# KiCad board DFTBoard.kicad_pcb (continued)
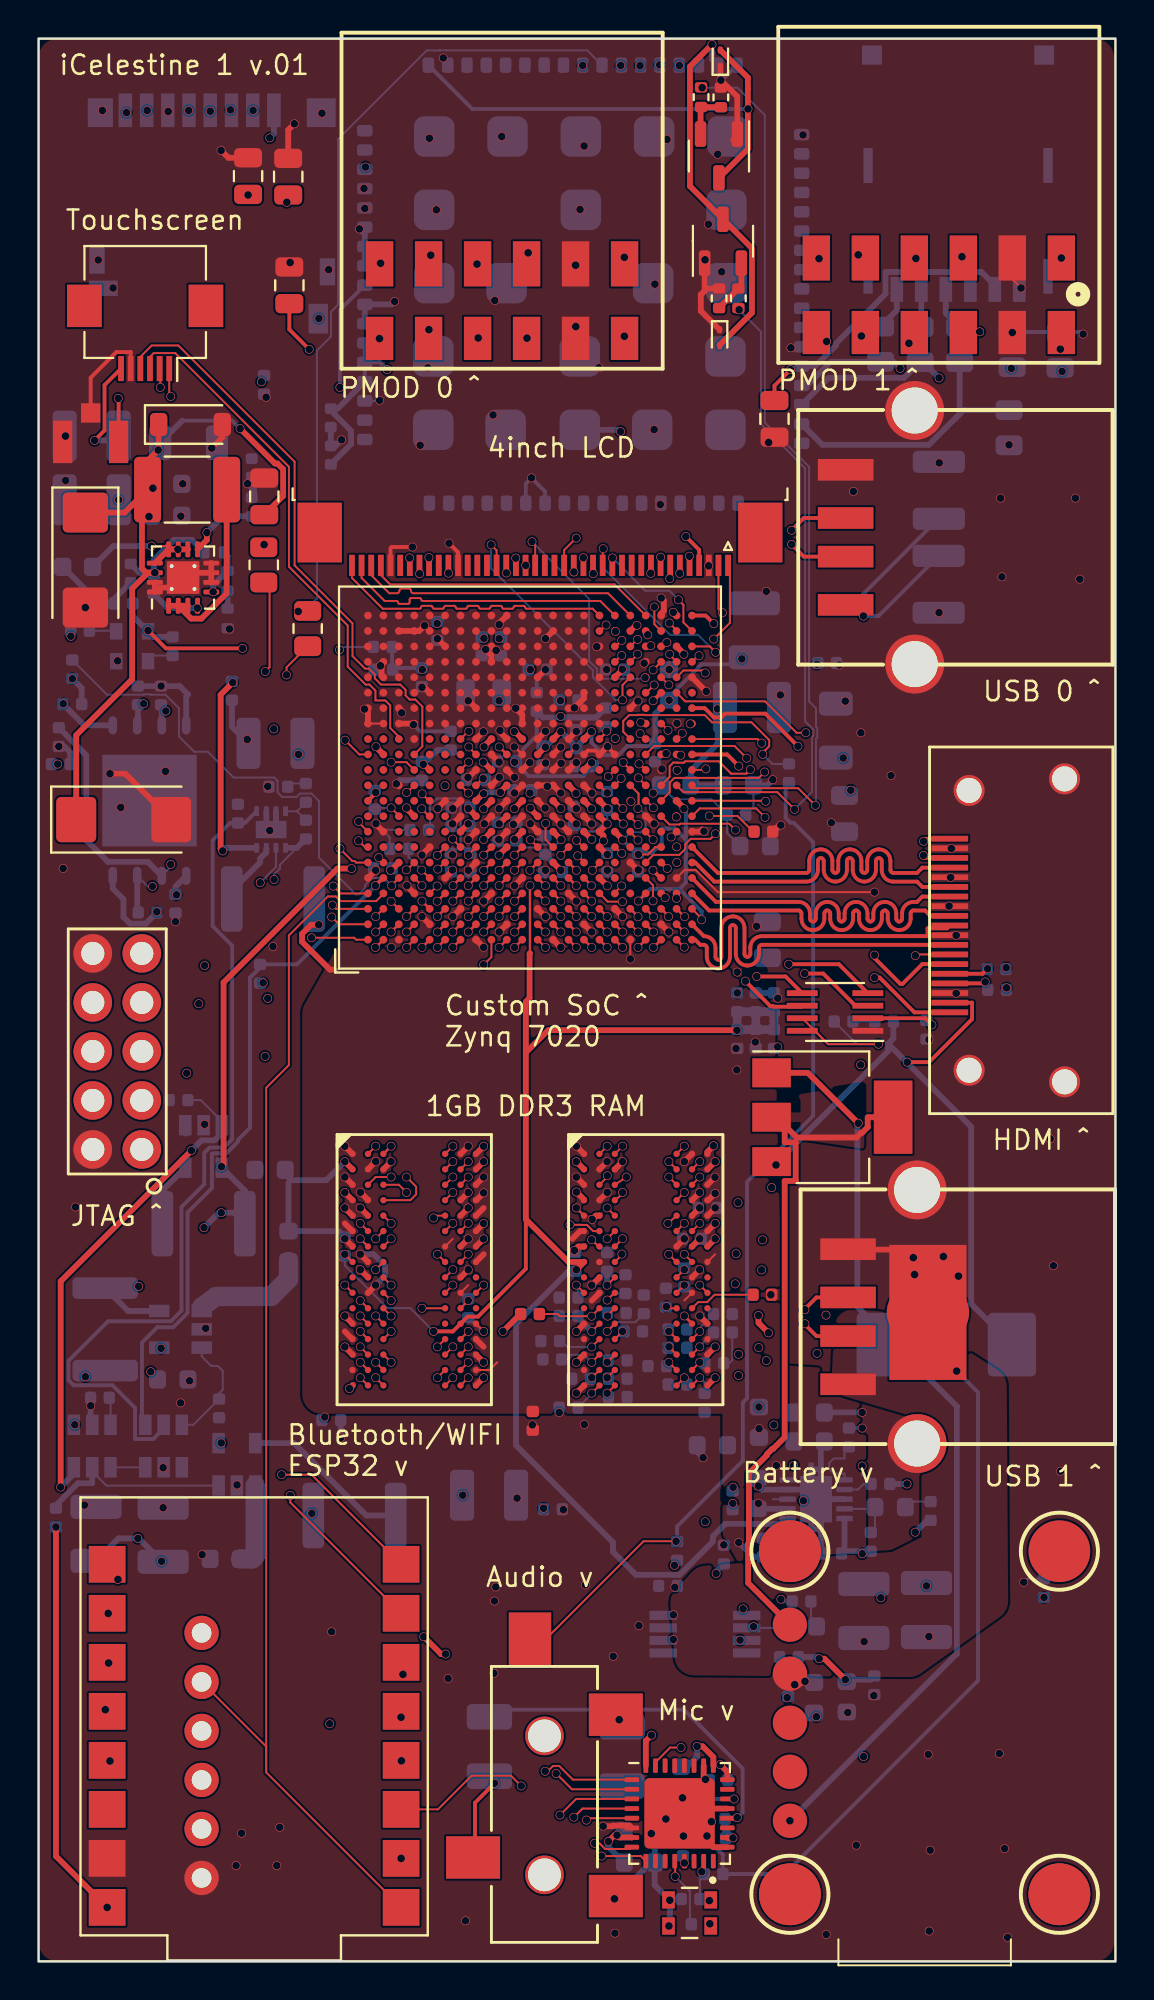
[diagram p0: board, top side]
## Routing (per net, layer and track width the routed paths; a pad name or vN(x,y) marks a point on that pad's centre or on a via; arc(x,y) is an arc through that point) (continued)
  BOTTOM w0.102: v1(29.47,34.28) 29.81,34.62 R70.1
DDR3_CK_N: length 48.3
  TOP_GND w0.102: 33.08,34.65 v1(33.47,35.05) ; U16.K7 v1(21.48,35.05)
  TOP_GND w0.13: U20.N5 v1(27.08,55.75)
  SIGNAL1 w0.102: v1(27.08,55.75) 27.08,55.61 26.68,55.21 26.68,51.64 26.67,51.63 26.67,50.55 26.08,49.96 26.08,44.95 26.07,44.94 26.07,44.92 26.06,44.91 26.05,44.9 26.03,44.89 26.02,44.88 26,44.88 25.88,44.88 25.83,44.87 25.77,44.86 25.72,44.82 25.68,44.78 25.65,44.73 25.63,44.68 25.62,44.62 25.62,44.34 25.63,44.28 25.65,44.22 25.68,44.18 25.72,44.13 25.77,44.1 25.83,44.08 25.88,44.08 26.53,44.08 26.56,44.07 26.59,44.06 26.62,44.04 26.64,44.02 26.66,43.99 26.67,43.96 26.68,43.93 26.68,43.83 26.67,43.8 26.66,43.76 26.64,43.74 26.62,43.71 26.59,43.7 26.56,43.68 26.53,43.68 25.8,43.68 25.73,43.67 25.66,43.65 25.6,43.61 25.55,43.56 25.51,43.49 25.48,43.42 25.47,43.35 25.47,43.21 25.48,43.13 25.51,43.06 25.55,43 25.6,42.95 25.66,42.91 25.73,42.89 25.8,42.88 26.53,42.88 26.56,42.87 26.59,42.86 26.62,42.84 26.64,42.82 26.66,42.79 26.67,42.76 26.68,42.73 26.68,42.63 26.67,42.6 26.66,42.56 26.64,42.54 26.62,42.51 26.59,42.5 26.56,42.48 26.53,42.48 25.8,42.48 25.73,42.47 25.66,42.45 25.6,42.41 25.55,42.36 25.51,42.29 25.48,42.22 25.47,42.15 25.47,42.01 25.48,41.93 25.51,41.86 25.55,41.8 25.6,41.75 25.66,41.71 25.73,41.69 25.8,41.68 26.53,41.68 26.56,41.67 26.59,41.66 26.62,41.64 26.64,41.62 26.66,41.59 26.67,41.56 26.68,41.53 26.68,41.43 26.67,41.4 26.66,41.36 26.64,41.34 26.62,41.31 26.59,41.3 26.56,41.28 26.53,41.28 25.8,41.28 25.73,41.27 25.66,41.25 25.6,41.21 25.55,41.16 25.51,41.09 25.48,41.02 25.47,40.95 25.47,40.81 25.48,40.73 25.51,40.66 25.55,40.6 25.6,40.55 25.66,40.51 25.73,40.49 25.8,40.48 26.53,40.48 26.56,40.47 26.59,40.46 26.62,40.44 26.64,40.42 26.66,40.39 26.67,40.36 26.68,40.33 26.68,40.23 26.67,40.2 26.66,40.16 26.64,40.14 26.62,40.11 26.59,40.1 26.56,40.08 26.53,40.08 26.41,40.08 26.33,40.07 26.26,40.05 26.2,40.01 26.15,39.96 26.11,39.89 26.08,39.82 26.08,39.75 26.08,38 25.93,37.85 21.28,37.85 21.08,37.65 21.08,35.45 v1(21.48,35.05) 21.88,35.45 22.48,35.45 23.05,36.03 23.35,36.03 23.56,36.24 28.87,36.24 29.36,35.75 32.44,35.75 33.14,35.05 v1(33.47,35.05)
DDR3_CK_P: length 46.8
  TOP_GND w0.102: 33.08,35.45 v1(33.47,35.85) ; U16.J7 v1(21.48,35.85)
  TOP_GND w0.13: U20.N4 v1(27.08,54.95)
  SIGNAL1 w0.102: v1(33.47,35.85) 32.68,35.85 32.22,36.3 31.33,36.3 30.98,35.95 29.44,35.95 28.95,36.45 24.28,36.45 24.05,36.68 23.7,36.68 23.28,36.25 21.88,36.25 v1(21.48,35.85) 21.48,36.85 21.68,37.05 26.12,37.05 26.28,37.2 26.28,39.73 26.28,39.76 26.29,39.79 26.31,39.82 26.33,39.84 26.36,39.86 26.39,39.87 26.43,39.88 26.55,39.88 26.62,39.89 26.69,39.91 26.76,39.95 26.81,40 26.85,40.06 26.87,40.13 26.88,40.21 26.88,40.35 26.87,40.42 26.85,40.49 26.81,40.56 26.76,40.61 26.69,40.65 26.62,40.67 26.55,40.68 25.83,40.68 25.79,40.68 25.76,40.7 25.73,40.71 25.71,40.74 25.69,40.76 25.68,40.8 25.68,40.83 25.68,40.93 25.68,40.96 25.69,40.99 25.71,41.02 25.73,41.04 25.76,41.06 25.79,41.07 25.83,41.08 26.55,41.08 26.62,41.09 26.69,41.11 26.76,41.15 26.81,41.2 26.85,41.26 26.87,41.33 26.88,41.41 26.88,41.55 26.87,41.62 26.85,41.69 26.81,41.76 26.76,41.81 26.69,41.85 26.62,41.87 26.55,41.88 25.83,41.88 25.79,41.88 25.76,41.9 25.73,41.91 25.71,41.94 25.69,41.96 25.68,42 25.68,42.03 25.68,42.13 25.68,42.16 25.69,42.19 25.71,42.22 25.73,42.24 25.76,42.26 25.79,42.27 25.83,42.28 26.55,42.28 26.62,42.29 26.69,42.31 26.76,42.35 26.81,42.4 26.85,42.46 26.87,42.53 26.88,42.61 26.88,42.75 26.87,42.82 26.85,42.89 26.81,42.96 26.76,43.01 26.69,43.05 26.62,43.07 26.55,43.08 25.83,43.08 25.79,43.08 25.76,43.1 25.73,43.11 25.71,43.14 25.69,43.16 25.68,43.2 25.68,43.23 25.68,43.33 25.68,43.36 25.69,43.39 25.71,43.42 25.73,43.44 25.76,43.46 25.79,43.47 25.83,43.48 26.55,43.48 26.62,43.49 26.69,43.51 26.76,43.55 26.81,43.6 26.85,43.66 26.87,43.73 26.88,43.81 26.88,43.95 26.87,44.02 26.85,44.09 26.81,44.16 26.76,44.21 26.69,44.25 26.62,44.27 26.55,44.28 25.9,44.28 25.88,44.28 25.87,44.29 25.85,44.3 25.84,44.31 25.83,44.32 25.83,44.34 25.83,44.35 25.83,44.6 25.83,44.62 25.83,44.64 25.84,44.65 25.85,44.66 25.87,44.67 25.88,44.68 25.9,44.68 26.02,44.68 26.08,44.68 26.13,44.7 26.18,44.73 26.22,44.78 26.25,44.82 26.27,44.88 26.28,44.94 26.28,49.85 27.12,50.7 27.12,51.15 26.88,51.4 26.88,51.55 27.48,52.15 27.48,54.55 v1(27.08,54.95)
DDR3_CKE: length 39.1
  TOP_GND w0.102: U16.K9 v1(23.08,35.05) ; 34.68,34.65 v1(34.28,35.05)
  TOP_GND w0.13: U20.V3 31.07,54.15 v1(31.07,54.14)
  SIGNAL1 w0.102: v1(34.28,35.05) 33.88,34.65 33.08,34.65 32.28,35.45 26.88,35.45 26.48,35.05 25.97,35.05 25.93,35.05 25.89,35.07 25.85,35.09 25.82,35.12 25.79,35.16 25.78,35.2 25.77,35.29 25.76,35.34 25.73,35.37 25.7,35.4 25.66,35.43 25.62,35.44 25.58,35.45 25.57,35.45 25.53,35.44 25.49,35.43 25.45,35.4 25.42,35.37 25.39,35.34 25.38,35.29 25.38,35.25 25.38,35.05 25.37,35.05 25.37,34.85 25.37,34.81 25.35,34.76 25.33,34.73 25.3,34.7 25.26,34.67 25.22,34.66 25.18,34.65 25.17,34.65 25.13,34.66 25.09,34.67 25.05,34.7 25.02,34.73 24.99,34.76 24.98,34.81 24.97,34.9 24.95,34.94 24.93,34.98 24.9,35.01 24.86,35.03 24.82,35.05 24.78,35.05 v1(23.08,35.05)
  SIGNAL2 w0.102: v1(31.07,54.14) 31.47,53.75 31.47,50.77 30.76,50.06 30.74,50.06 30.06,49.38 29.64,49.38 29.61,49.39 29.58,49.4 29.55,49.4 29.52,49.39 29.49,49.38 29.47,49.36 29.38,49.28 29.36,49.25 29.35,49.22 29.34,49.19 29.34,49.16 29.35,49.13 29.36,49.1 29.38,49.08 29.75,48.71 29.77,48.68 29.79,48.66 29.79,48.62 29.79,48.59 29.79,48.56 29.77,48.53 29.75,48.51 29.67,48.43 29.64,48.41 29.62,48.39 29.59,48.39 29.55,48.39 29.52,48.39 29.5,48.41 29.47,48.43 29.38,48.51 29.36,48.53 29.33,48.54 29.3,48.55 29.27,48.55 29.24,48.54 29.21,48.53 29.19,48.51 23.38,42.7 22.95,42.7 22.68,42.43 22.68,35.45 v1(23.08,35.05)
DDR3_CS#: length 48.3
  TOP_GND w0.102: U16.L2 v1(16.68,34.25) ; 29.08,33.85 28.67,33.44 v1(28.67,33.44) 27.02,33.44 26.91,33.55 R73.1
  TOP_GND w0.13: U20.P6 27.88,56.55 v1(27.88,56.55)
  GND1 w0.102: v1(16.68,34.25) U16.L2 18.98,33.85 19.38,33.45 22.49,33.45 22.89,33.85 23.78,33.85 24.03,33.6 25.02,33.6 25.04,33.6 25.07,33.61 25.1,33.63 25.12,33.65 25.13,33.67 25.14,33.7 25.15,33.76 25.16,33.79 25.17,33.81 25.19,33.83 25.22,33.85 25.25,33.86 25.28,33.86 25.42,33.86 25.44,33.86 25.47,33.85 25.5,33.83 25.52,33.81 25.53,33.79 25.54,33.76 25.55,33.7 25.56,33.67 25.57,33.65 25.59,33.63 25.62,33.61 25.65,33.6 25.68,33.6 27.1,33.6 27.26,33.44 v1(28.67,33.44)
  SIGNAL2 w0.102: v1(16.68,34.25) 16.34,34.25 16.23,34.14 15.32,34.14 14.94,34.52 14.94,36.42 15.58,37.05 16.08,37.05 16.28,37.25 16.28,42.75 22.93,49.41 23.02,49.49 23.04,49.52 23.05,49.55 23.06,49.58 23.06,49.61 23.05,49.64 23.04,49.67 23.02,49.69 22.95,49.76 22.93,49.79 22.92,49.82 22.91,49.85 22.91,49.88 22.92,49.91 22.93,49.94 22.95,49.96 23.03,50.05 23.06,50.06 23.09,50.08 23.12,50.09 23.15,50.09 23.18,50.08 23.21,50.06 23.23,50.05 23.3,49.98 23.33,49.96 23.35,49.94 23.39,49.93 23.42,49.93 23.45,49.94 23.48,49.96 23.5,49.98 25.88,52.35 25.88,55.15 26.08,55.35 27.28,55.35 27.48,55.55 27.48,56.14 v1(27.88,56.55)
DDR3_DM0: length 30.9
  TOP_GND w0.102: v1(20.48,38.53) 20.59,38.65 U16.E7
  TOP_GND w0.13: v1(17.46,52.55) 17.47,52.55 U20.B1
  GND1 w0.102: v1(20.48,38.53) 20.48,37.05 20.18,36.75 20.18,36.1 19.88,35.8 18.38,35.8 18.08,36.1 18.08,36.25 18.2,36.38 19.1,36.38 19.33,36.6 19.33,38.45 19.13,38.64 18.77,38.64 18.47,38.94 17.83,38.94 17.64,39.13 17.64,39.63 17.39,39.88 17.39,40.02 16.84,40.57 16.56,40.57 16.27,40.85 16.27,44.02 16.86,44.61 16.86,47.9 16.85,47.91 16.85,48.63 19.47,51.25 19.47,53.53 19.26,53.75 18.09,53.75 17.88,53.53 17.88,53.16 17.46,52.75 v1(17.46,52.55)
DDR3_DM1: length 20.6
  TOP_GND w0.102: U16.D3 19.28,39.45 19.58,39.75 19.58,40.15 v1(19.08,40.65)
  TOP_GND w0.13: U20.H3 v1(22.28,54.15)
  GND1 w0.102: v1(22.28,54.15) 22.61,54.15 22.68,54.08 22.68,53.84 22.58,53.74 22.09,53.74 21.88,53.53 21.88,50.15 21.44,49.71 21.44,44.71 21.35,44.63 21.17,44.63 21.03,44.49 21.03,44.2 21.42,43.81 21.45,43.77 21.47,43.73 21.48,43.69 21.48,43.64 21.47,43.6 21.45,43.56 21.42,43.52 21.39,43.5 21.35,43.48 21.31,43.47 21.26,43.47 21.22,43.48 21.18,43.5 21.14,43.52 20.84,43.83 20.8,43.86 20.76,43.88 20.72,43.89 20.67,43.89 20.63,43.88 20.59,43.86 20.55,43.83 19.08,42.35 v1(19.08,40.65)
DDR3_DM2: length 21.6
  TOP_GND w0.102: 33.08,38.65 v1(32.62,38.25)
  TOP_GND w0.13: U20.P1 v1(27.88,52.55)
  SIGNAL1 w0.102: v1(27.88,52.55) 27.88,52.05 27.48,51.66 27.48,49.46 27.48,49.43 27.47,49.4 27.45,49.37 27.43,49.35 27.4,49.33 27.37,49.32 27.34,49.32 27.3,49.32 27.27,49.31 27.24,49.3 27.22,49.29 27.19,49.26 27.18,49.24 27.17,49.21 27.16,49.18 27.16,49.06 27.17,49.03 27.18,49 27.19,48.97 27.22,48.95 27.24,48.93 27.27,48.92 27.3,48.92 27.66,48.92 27.69,48.91 27.72,48.9 27.75,48.89 27.77,48.86 27.79,48.84 27.8,48.81 27.8,48.78 27.8,48.66 27.8,48.63 27.79,48.6 27.77,48.57 27.75,48.55 27.72,48.53 27.69,48.52 27.69,44.53 27.48,44.32 27.48,38.79 27.68,38.6 27.78,38.6 28.53,37.85 32.22,37.85 v1(32.62,38.25)
DDR3_DM3: length 21.9
  TOP_GND w0.102: U15.D3 30.38,39.85
  TOP_GND w0.13: U20.AA2 v1(33.47,53.35)
  SIGNAL2 w0.102: v1(30.28,39.85) 32.18,41.75 32.18,45.85 32.18,45.87 32.18,45.89 32.2,45.91 32.21,45.93 32.23,45.94 32.25,45.95 32.28,45.95 32.86,45.95 32.88,45.95 32.9,45.96 32.92,45.97 32.93,45.99 32.95,46.01 32.95,46.03 32.96,46.05 32.96,46.25 32.95,46.27 32.95,46.29 32.93,46.31 32.92,46.33 32.9,46.34 32.88,46.35 32.86,46.35 31.49,46.35 31.47,46.35 31.45,46.36 31.43,46.37 31.42,46.39 31.4,46.41 31.4,46.43 31.39,46.45 31.39,46.65 31.4,46.67 31.4,46.69 31.42,46.71 31.43,46.73 31.45,46.74 31.47,46.75 31.49,46.75 32.86,46.75 32.88,46.75 32.9,46.76 32.92,46.77 32.93,46.79 32.95,46.81 32.95,46.83 32.96,46.85 32.96,47.05 32.95,47.07 32.95,47.09 32.93,47.11 32.92,47.13 32.9,47.14 32.88,47.15 32.86,47.15 31.49,47.15 31.47,47.15 31.45,47.16 31.43,47.17 31.42,47.19 31.4,47.21 31.4,47.23 31.39,47.25 31.39,47.45 31.4,47.47 31.4,47.49 31.42,47.51 31.43,47.53 31.45,47.54 31.47,47.55 31.49,47.55 32.08,47.55 32.1,47.55 32.12,47.56 32.14,47.57 32.15,47.59 32.17,47.61 32.17,47.63 32.18,47.65 32.18,52.05 v1(33.47,53.35)
DDR3_DQ0: length 30.6
  TOP_GND w0.102: U16.E3 v1(18.28,38.25) ; U20.C3 18.67,54.55 v1(18.28,54.94)
  GND1 w0.102: 17.72,54.56 17.9,54.56 v1(18.28,54.94) ; 17.72,54.56 17.15,54.56 17.08,54.48 17.08,53.82 16.8,53.55 16.58,53.55 16.44,53.41 15.98,53.41 15.3,52.73 13.48,50.9 13.48,43.16 13.23,42.92 13.23,42.78 13.26,42.77 13.29,42.76 13.33,42.75 13.6,42.75 13.63,42.75 13.65,42.74 13.68,42.72 13.7,42.7 13.71,42.68 13.72,42.65 13.73,42.63 13.73,42.28 13.72,42.25 13.71,42.22 13.7,42.2 13.68,42.18 13.65,42.16 13.63,42.16 13.57,42.15 13.55,42.14 13.52,42.12 13.5,42.1 13.49,42.08 13.48,42.05 13.48,42.03 13.48,36.45 14.08,35.85 16.09,35.85 16.5,36.26 16.86,36.26 17.53,36.92 17.54,36.92 17.68,37.06 18.46,37.06 18.77,37.36 18.77,37.75 v1(18.28,38.25) ; 17.72,54.56 17.92,54.56
DDR3_DQ1: length 32
  TOP_GND w0.102: U16.F7 v1(21.48,38.25)
  TOP_GND w0.13: U20.F2 v1(20.68,53.35)
  GND1 w0.102: v1(20.68,53.35) 20.68,53.69 20.61,53.76 20.49,53.76 20.28,53.96 20.28,54.34 20.49,54.55 20.85,54.55 21.06,54.76 21.06,54.83 21.08,54.85 21.08,55.12 20.85,55.34 20.48,55.34 20.27,55.13 20.27,54.76 20.06,54.55 19.69,54.55 19.48,54.34 19.48,53.86 19.48,53.85 20.27,53.06 20.27,51.04 18.85,49.63 18.85,46.33 18.85,46.3 18.84,46.26 18.82,46.24 18.8,46.21 18.77,46.19 18.74,46.18 18.7,46.18 18.56,46.18 18.53,46.18 18.49,46.16 18.47,46.15 18.44,46.12 18.42,46.09 18.41,46.06 18.41,46.03 18.41,46 18.42,45.96 18.44,45.94 18.47,45.91 18.49,45.89 18.53,45.88 18.56,45.88 18.7,45.88 18.74,45.88 18.77,45.86 18.8,45.85 18.82,45.82 18.84,45.79 18.85,45.76 18.85,45.73 18.85,44.88 18.83,44.86 18.8,44.85 18.77,44.84 18.74,44.84 18.71,44.85 18.68,44.86 18.66,44.88 18.18,45.35 18.16,45.37 18.13,45.38 18.1,45.39 18.07,45.39 18.04,45.38 18.01,45.37 17.99,45.35 17.9,45.27 17.88,45.24 17.87,45.21 17.86,45.18 17.86,45.15 17.87,45.12 17.88,45.09 17.9,45.07 18.56,44.41 18.58,44.39 18.59,44.36 18.6,44.34 18.6,44.31 18.59,44.28 18.58,44.26 18.56,44.23 18.45,44.13 18.43,44.11 18.41,44.1 18.38,44.09 18.35,44.09 18.32,44.1 18.3,44.11 18.28,44.13 18.04,44.36 18.02,44.38 17.99,44.39 17.96,44.4 17.93,44.4 17.9,44.39 17.87,44.38 17.84,44.36 17.76,44.28 17.74,44.25 17.73,44.22 17.72,44.19 17.72,44.16 17.73,44.13 17.74,44.1 17.76,44.08 17.99,43.84 18.01,43.82 18.02,43.8 18.03,43.77 18.03,43.74 18.02,43.72 18.01,43.69 17.99,43.67 17.89,43.56 17.86,43.54 17.84,43.53 17.81,43.53 17.78,43.53 17.76,43.53 17.73,43.54 17.69,43.58 17.66,43.59 17.64,43.6 17.61,43.6 17.58,43.59 17.56,43.58 17.54,43.56 16.79,42.82 16.79,41.57 17.31,41.05 17.68,41.05 17.86,40.87 17.86,40.48 17.86,40.48 18.19,40.15 18.19,39.77 18.22,39.77 18.84,39.15 19.68,39.15 20.03,39.5 20.68,39.5 21.46,38.71 21.64,38.71 21.85,38.5 21.85,38.15 21.8,38.1 21.62,38.1 v1(21.48,38.25)
DDR3_DQ2: length 30.4
  TOP_GND w0.102: U16.F2 v1(16.68,38.25) ; U20.B2 v1(17.48,53.35)
  GND1 w0.102: v1(16.68,38.25) 16.99,38.25 17.08,38.16 17.08,37.95 16.98,37.85 15.62,37.85 15.38,38.1 15.38,38.33 15.33,38.38 15.25,38.38 15.08,38.2 15.08,36.75 14.9,36.58 14.75,36.58 14.51,36.81 14.51,37.98 14.52,38.01 14.53,38.04 14.54,38.07 14.56,38.09 14.59,38.11 14.62,38.12 14.65,38.12 14.67,38.12 14.7,38.13 14.73,38.14 14.76,38.15 14.78,38.18 14.8,38.2 14.81,38.23 14.81,38.26 14.81,38.38 14.81,38.41 14.8,38.44 14.78,38.47 14.76,38.49 14.73,38.51 14.7,38.52 14.67,38.52 14.35,38.52 14.32,38.53 14.29,38.54 14.26,38.55 14.24,38.58 14.23,38.6 14.22,38.63 14.21,38.66 14.21,38.78 14.22,38.81 14.23,38.84 14.24,38.87 14.26,38.89 14.29,38.91 14.32,38.92 14.35,38.92 14.56,38.92 14.57,38.92 14.58,38.93 14.59,38.93 14.6,38.94 14.61,38.95 14.61,38.96 14.61,38.97 14.61,39.27 14.61,39.28 14.61,39.29 14.6,39.3 14.59,39.31 14.58,39.32 14.57,39.32 14.56,39.32 14.35,39.32 14.32,39.33 14.29,39.34 14.26,39.35 14.24,39.38 14.23,39.4 14.22,39.43 14.21,39.46 14.21,39.58 14.22,39.61 14.23,39.64 14.24,39.67 14.26,39.69 14.29,39.71 14.32,39.72 14.35,39.72 14.56,39.72 14.57,39.72 14.58,39.73 14.59,39.73 14.6,39.74 14.61,39.75 14.61,39.76 14.61,39.77 14.61,40.07 14.61,40.08 14.61,40.09 14.6,40.1 14.59,40.11 14.58,40.12 14.57,40.12 14.56,40.12 14.35,40.12 14.32,40.13 14.29,40.14 14.26,40.15 14.24,40.18 14.23,40.2 14.22,40.23 14.21,40.26 14.21,40.38 14.22,40.41 14.23,40.44 14.24,40.47 14.26,40.49 14.29,40.51 14.32,40.52 14.35,40.52 14.56,40.52 14.57,40.52 14.58,40.53 14.59,40.53 14.6,40.54 14.61,40.55 14.61,40.56 14.61,40.57 14.61,40.87 14.61,40.88 14.61,40.89 14.6,40.9 14.59,40.91 14.58,40.92 14.57,40.92 14.56,40.92 14.35,40.92 14.32,40.93 14.29,40.94 14.26,40.95 14.24,40.98 14.23,41 14.22,41.03 14.21,41.06 14.21,41.18 14.22,41.21 14.23,41.24 14.24,41.27 14.26,41.29 14.29,41.31 14.32,41.32 14.35,41.32 14.56,41.32 14.57,41.32 14.58,41.33 14.59,41.33 14.6,41.34 14.61,41.35 14.61,41.36 14.61,41.37 14.61,41.67 14.61,41.68 14.61,41.69 14.6,41.7 14.59,41.71 14.58,41.72 14.57,41.72 14.56,41.72 14.35,41.72 14.32,41.73 14.29,41.74 14.26,41.75 14.24,41.78 14.23,41.8 14.22,41.83 14.21,41.86 14.21,41.98 14.22,42.01 14.23,42.04 14.24,42.07 14.26,42.09 14.29,42.11 14.32,42.12 14.35,42.12 14.56,42.12 14.57,42.12 14.58,42.13 14.59,42.13 14.6,42.14 14.61,42.15 14.61,42.16 14.61,42.17 14.61,42.47 14.61,42.48 14.61,42.49 14.6,42.5 14.59,42.51 14.58,42.52 14.57,42.52 14.56,42.52 14.35,42.52 14.32,42.53 14.29,42.54 14.26,42.55 14.24,42.58 14.23,42.6 14.22,42.63 14.21,42.66 14.21,42.78 14.22,42.81 14.23,42.84 14.24,42.87 14.26,42.89 14.29,42.91 14.32,42.92 14.35,42.92 14.37,42.92 14.4,42.93 14.43,42.94 14.46,42.95 14.48,42.98 14.5,43 14.51,43.03 14.51,43.06 14.51,50.34 15.75,51.58 15.75,51.63 16.12,52 16.13,52.01 16.14,52.03 16.15,52.05 16.15,52.06 16.14,52.08 16.13,52.1 16.11,52.13 16.1,52.14 16.1,52.16 16.1,52.18 16.1,52.2 16.11,52.21 16.12,52.23 16.29,52.4 16.31,52.41 16.32,52.42 16.34,52.42 16.36,52.42 16.38,52.42 16.39,52.41 16.41,52.4 17.05,51.76 17.07,51.74 17.1,51.72 17.13,51.72 17.16,51.72 17.19,51.72 17.22,51.74 17.24,51.76 17.33,51.84 17.35,51.87 17.36,51.89 17.37,51.93 17.37,51.96 17.36,51.99 17.35,52.02 17.33,52.04 16.75,52.62 16.76,52.63 16.7,52.69 16.69,52.71 16.68,52.72 16.68,52.74 16.68,52.76 16.68,52.78 16.69,52.79 16.7,52.81 16.87,52.98 16.88,52.99 16.9,52.99 16.92,53 16.94,53 16.95,52.99 16.97,52.99 17,52.96 17.02,52.96 17.03,52.95 17.05,52.95 17.07,52.96 17.09,52.96 17.1,52.98 v1(17.48,53.35)
DDR3_DQ3: length 32.1
  TOP_GND w0.102: U16.F8 v1(22.28,38.25)
  TOP_GND w0.13: U20.F1 v1(20.68,52.55)
  GND1 w0.102: v1(20.68,52.55) 20.68,50.85 19.35,49.53 19.35,44.68 17.5,42.83 17.25,42.83 17.08,42.66 17.08,42.06 17.29,41.85 18.53,41.85 18.68,41.7 18.68,40.3 18.63,40.25 18.63,39.65 18.83,39.45 19.37,39.45 19.87,39.95 20.78,39.95 21.26,39.47 21.26,39.45 22.04,38.68 22.12,38.68 22.16,38.64 23.69,38.64 23.7,38.65 25.53,38.65 25.73,38.45 25.73,37.3 24.48,36.05 22.88,36.05 22.68,36.25 22.68,37.85 v1(22.28,38.25)
DDR3_DQ4: length 30.1
  TOP_GND w0.102: v1(17.47,35.85) 17.48,35.85 U16.H3
  TOP_GND w0.13: U20.E3 v1(19.88,54.95)
  GND1 w0.102: v1(17.47,35.85) 17.07,35.45 13.93,35.45 12.93,36.45 12.93,51.25 14.73,53.06 14.78,53.06 15.58,53.86 16.09,53.86 16.32,54.09 16.32,54.41 17.25,55.35 19.48,55.35 v1(19.88,54.95)
DDR3_DQ5: length 31.1
  TOP_GND w0.102: U16.H8 v1(22.28,36.65)
  TOP_GND w0.13: U20.E1 v1(19.88,52.55)
  GND1 w0.102: v1(19.88,52.55) 19.88,51.09 19.06,50.27 19.04,50.27 18.12,49.35 18.12,48.55 17.81,48.24 17.32,48.24 17.29,48.23 17.26,48.22 17.23,48.2 17.21,48.18 17.19,48.16 17.18,48.13 17.18,48.1 17.18,47.98 17.18,47.94 17.19,47.91 17.21,47.89 17.23,47.87 17.26,47.85 17.29,47.84 17.32,47.84 18.43,47.84 18.46,47.83 18.49,47.82 18.52,47.8 18.54,47.78 18.56,47.76 18.57,47.73 18.57,47.7 18.57,47.58 18.57,47.54 18.56,47.51 18.54,47.49 18.52,47.47 18.49,47.45 18.46,47.44 18.43,47.44 17.32,47.44 17.29,47.43 17.26,47.42 17.23,47.4 17.21,47.38 17.19,47.36 17.18,47.33 17.18,47.3 17.18,47.18 17.18,47.14 17.19,47.11 17.21,47.09 17.23,47.07 17.26,47.05 17.29,47.04 17.32,47.04 18.43,47.04 18.46,47.03 18.49,47.02 18.52,47 18.54,46.98 18.56,46.96 18.57,46.93 18.57,46.9 18.57,46.78 18.57,46.74 18.56,46.71 18.54,46.69 18.52,46.67 18.49,46.65 18.46,46.64 18.43,46.64 17.79,46.64 17.76,46.63 17.73,46.62 17.7,46.6 17.68,46.58 17.66,46.56 17.65,46.53 17.65,46.5 17.65,44.53 16.54,43.41 16.54,41.16 17.01,40.69 17.44,40.69 17.51,40.61 17.51,40.19 17.99,39.71 17.99,39.39 18.11,39.26 18.44,39.26 18.75,38.95 19.43,38.95 19.68,38.7 19.68,37.1 19.73,37.05 19.98,37.05 20.08,37.15 20.08,38.75 20.28,38.95 20.62,38.95 21.08,38.5 21.08,38.05 21.28,37.85 21.68,37.85 21.88,37.65 21.88,37.05 v1(22.28,36.65)
DDR3_DQ6: length 32
  TOP_GND w0.102: U16.G2 v1(16.68,37.45)
  TOP_GND w0.13: U20.D3 v1(19.08,54.15)
  GND1 w0.102: v1(16.68,37.45) 16.28,37.05 15.69,37.05 15.48,36.83 15.48,36.3 15.43,36.25 14.08,36.25 13.98,36.35 13.98,43.4 13.98,43.42 13.98,43.44 14,43.46 14.01,43.48 14.03,43.49 14.05,43.5 14.08,43.5 14.17,43.5 14.19,43.5 14.21,43.51 14.23,43.52 14.24,43.54 14.26,43.56 14.26,43.58 14.27,43.6 14.27,43.8 14.26,43.82 14.26,43.84 14.24,43.86 14.23,43.88 14.21,43.89 14.19,43.9 14.17,43.9 13.83,43.9 13.81,43.9 13.79,43.91 13.77,43.92 13.76,43.94 13.74,43.96 13.74,43.98 13.73,44 13.73,44.2 13.74,44.22 13.74,44.24 13.76,44.26 13.77,44.28 13.79,44.29 13.81,44.3 13.83,44.3 14.17,44.3 14.19,44.3 14.21,44.31 14.23,44.32 14.24,44.34 14.26,44.36 14.26,44.38 14.27,44.4 14.27,44.6 14.26,44.62 14.26,44.64 14.24,44.66 14.23,44.68 14.21,44.69 14.19,44.7 14.17,44.7 13.83,44.7 13.81,44.7 13.79,44.71 13.77,44.72 13.76,44.74 13.74,44.76 13.74,44.78 13.73,44.8 13.73,45 13.74,45.02 13.74,45.04 13.76,45.06 13.77,45.08 13.79,45.09 13.81,45.1 13.83,45.1 14.17,45.1 14.19,45.1 14.21,45.11 14.23,45.12 14.24,45.14 14.26,45.16 14.26,45.18 14.27,45.2 14.27,45.4 14.26,45.42 14.26,45.44 14.24,45.46 14.23,45.48 14.21,45.49 14.19,45.5 14.17,45.5 13.83,45.5 13.81,45.5 13.79,45.51 13.77,45.52 13.76,45.54 13.74,45.56 13.74,45.58 13.73,45.6 13.73,45.8 13.74,45.82 13.74,45.84 13.76,45.86 13.77,45.88 13.79,45.89 13.81,45.9 13.83,45.9 14.17,45.9 14.19,45.9 14.21,45.91 14.23,45.92 14.24,45.94 14.26,45.96 14.26,45.98 14.27,46 14.27,46.2 14.26,46.22 14.26,46.24 14.24,46.26 14.23,46.28 14.21,46.29 14.19,46.3 14.17,46.3 13.83,46.3 13.81,46.3 13.79,46.31 13.77,46.32 13.76,46.34 13.74,46.36 13.74,46.38 13.73,46.4 13.73,46.6 13.74,46.62 13.74,46.64 13.76,46.66 13.77,46.68 13.79,46.69 13.81,46.7 13.83,46.7 14.17,46.7 14.19,46.7 14.21,46.71 14.23,46.72 14.24,46.74 14.26,46.76 14.26,46.78 14.27,46.8 14.27,47 14.26,47.02 14.26,47.04 14.24,47.06 14.23,47.08 14.21,47.09 14.19,47.1 14.17,47.1 13.83,47.1 13.81,47.1 13.79,47.11 13.77,47.12 13.76,47.14 13.74,47.16 13.74,47.18 13.73,47.2 13.73,47.4 13.74,47.42 13.74,47.44 13.76,47.46 13.77,47.48 13.79,47.49 13.81,47.5 13.83,47.5 13.88,47.5 13.9,47.5 13.92,47.51 13.94,47.52 13.95,47.54 13.97,47.56 13.97,47.58 13.98,47.6 13.98,47.7 13.93,47.74 13.93,50.44 16.06,52.57 16.11,52.57 17.29,53.74 17.8,53.74 18.01,53.95 18.43,53.95 18.68,54.2 18.68,54.95 18.83,55.1 19.23,55.1 19.48,54.85 19.48,54.65 19.08,54.25 v1(19.08,54.15)
DDR3_DQ7: length 30.9
  TOP_GND w0.102: U16.H7 v1(20.68,36.65)
  TOP_GND w0.13: v1(19.08,52.55) 19.08,52.55 U20.D1
  GND1 w0.102: v1(19.08,52.55) 19.08,51.6 19.07,51.6 16.08,48.6 16.08,45 16.04,44.96 16.04,42.99 15.43,42.38 15.43,40.49 15.67,40.26 16.87,40.26 17.1,40.03 17.1,39.77 17.37,39.49 17.37,38.96 17.62,38.7 18.43,38.7 18.98,38.15 18.98,36.9 18.78,36.71 17.72,36.71 17.56,36.55 17.56,36.35 17.88,36.03 17.88,35.7 18.12,35.45 20.78,35.45 21.08,35.75 21.08,36.1 21.28,36.3 21.53,36.3 21.68,36.45 21.68,36.8 21.48,37 21.33,37 21.08,37.25 21.08,37.6 20.98,37.7 20.83,37.7 20.78,37.65 20.78,37 20.68,36.9 v1(20.68,36.65)
DDR3_DQ8: length 19.9
  TOP_GND w0.102: U16.D7 v1(21.48,39.85)
  TOP_GND w0.13: U20.L3 v1(24.68,54.15)
  GND1 w0.102: v1(21.48,39.85) 21.88,39.45 22.88,39.45 22.89,39.44 24.89,39.44 25.39,39.94 25.39,53.44 v1(24.68,54.15)
DDR3_DQ9: length 18.9
  TOP_GND w0.102: U16.C3 18.68,40.25 v1(19.08,39.85)
  TOP_GND w0.13: U20.L1 v1(24.68,52.55)
  GND1 w0.102: v1(19.08,39.85) 19.47,40.24 21.65,40.24 21.87,40.46 21.87,40.84 22.07,41.04 23.25,41.04 24.41,42.21 24.41,51.71 24.68,51.98 v1(24.68,52.55)
DDR3_DQ10: length 19.4
  TOP_GND w0.102: U16.C8 v1(22.28,40.65)
  TOP_GND w0.13: U20.L2 v1(24.68,53.35)
  GND1 w0.102: v1(24.68,53.35) 25.08,52.95 25.08,51.65 24.89,51.46 24.89,41.36 24.88,41.32 24.87,41.28 24.84,41.24 24.81,41.21 24.77,41.18 24.73,41.17 24.69,41.16 24.11,41.16 24.06,41.16 24.02,41.14 23.98,41.12 23.95,41.09 23.93,41.05 23.91,41.01 23.91,40.96 23.91,40.92 23.93,40.88 23.95,40.84 23.98,40.81 24.02,40.78 24.06,40.77 24.11,40.76 24.69,40.76 24.73,40.76 24.77,40.74 24.81,40.72 24.84,40.69 24.87,40.65 24.88,40.61 24.89,40.56 24.89,40.11 24.53,39.75 24.04,39.75 23.53,40.26 22.67,40.26 v1(22.28,40.65)
DDR3_DQ11: length 23.2
  TOP_GND w0.102: U16.C2 17.48,40.65 v1(18.28,40.65) ; U20.J1 23.48,52.05 v1(23.08,51.65)
  SIGNAL1 w0.102: v1(23.08,51.65) 23.08,50.75 22.98,50.65 22.94,50.62 22.91,50.61 22.87,50.6 22.82,50.6 22.78,50.61 22.75,50.62 22.68,50.68 22.65,50.69 22.61,50.7 22.56,50.7 22.52,50.69 22.49,50.68 22.46,50.65 22.43,50.63 22.41,50.59 22.39,50.56 22.38,50.52 22.38,50.48 22.39,50.44 22.41,50.4 22.43,50.37 22.56,50.24 22.55,50.23 22.63,50.15 22.64,50.13 22.65,50.11 22.66,50.08 22.66,50.06 22.65,50.04 22.64,50.01 22.63,50 22.5,49.87 22.48,49.85 22.46,49.84 22.43,49.83 22.41,49.83 22.39,49.84 22.36,49.85 22.34,49.87 22.14,50.07 22.11,50.1 22.07,50.12 22.03,50.13 21.99,50.13 21.95,50.12 21.91,50.1 21.88,50.07 21.86,50.05 21.83,50.02 21.81,49.98 21.8,49.94 21.8,49.9 21.81,49.86 21.83,49.82 21.86,49.79 22.06,49.58 22.08,49.56 22.09,49.54 22.09,49.52 22.09,49.49 22.09,49.47 22.08,49.45 22.06,49.43 21.93,49.3 21.91,49.29 21.89,49.27 21.87,49.27 21.84,49.27 21.82,49.27 21.8,49.29 21.78,49.3 21.57,49.51 21.54,49.53 21.5,49.55 21.46,49.56 21.42,49.56 21.38,49.55 21.34,49.53 21.31,49.51 21.29,49.48 21.26,49.45 21.25,49.41 21.24,49.37 21.24,49.33 21.25,49.29 21.26,49.26 21.29,49.22 21.5,49.02 21.51,49 21.52,48.98 21.53,48.95 21.53,48.93 21.52,48.9 21.51,48.88 21.5,48.86 21.37,48.73 21.35,48.72 21.33,48.71 21.3,48.7 21.28,48.7 21.25,48.71 21.23,48.72 21.21,48.73 21.01,48.94 20.97,48.97 20.94,48.98 20.9,48.99 20.86,48.99 20.82,48.98 20.78,48.97 20.75,48.94 20.72,48.92 20.7,48.89 20.68,48.85 20.67,48.81 20.67,48.77 20.68,48.73 20.7,48.69 20.75,48.63 20.77,48.59 20.78,48.55 20.78,48.51 20.77,48.47 20.75,48.43 20.72,48.4 18.9,46.58 18.9,43.53 18.73,43.35 18.03,43.35 17.88,43.2 17.88,41.27 17.48,40.87 17.48,39.4 17.73,39.15 17.93,39.15 18.28,39.5 v1(18.28,40.65)
